# Altium PCB SCCM-2019-3-9.PcbDoc
Units mm, origin at the board's own origin, x right, y up, seen from the top; angles counter-clockwise.
Board outline 78.2 x 81 mm, 2 copper layers (Top Layer, Bottom Layer), stack 1.671 mm thick; 165 components, 89 nets, 507 pads, 12 vias.
Unrouted connection lines stored in the file: 245.
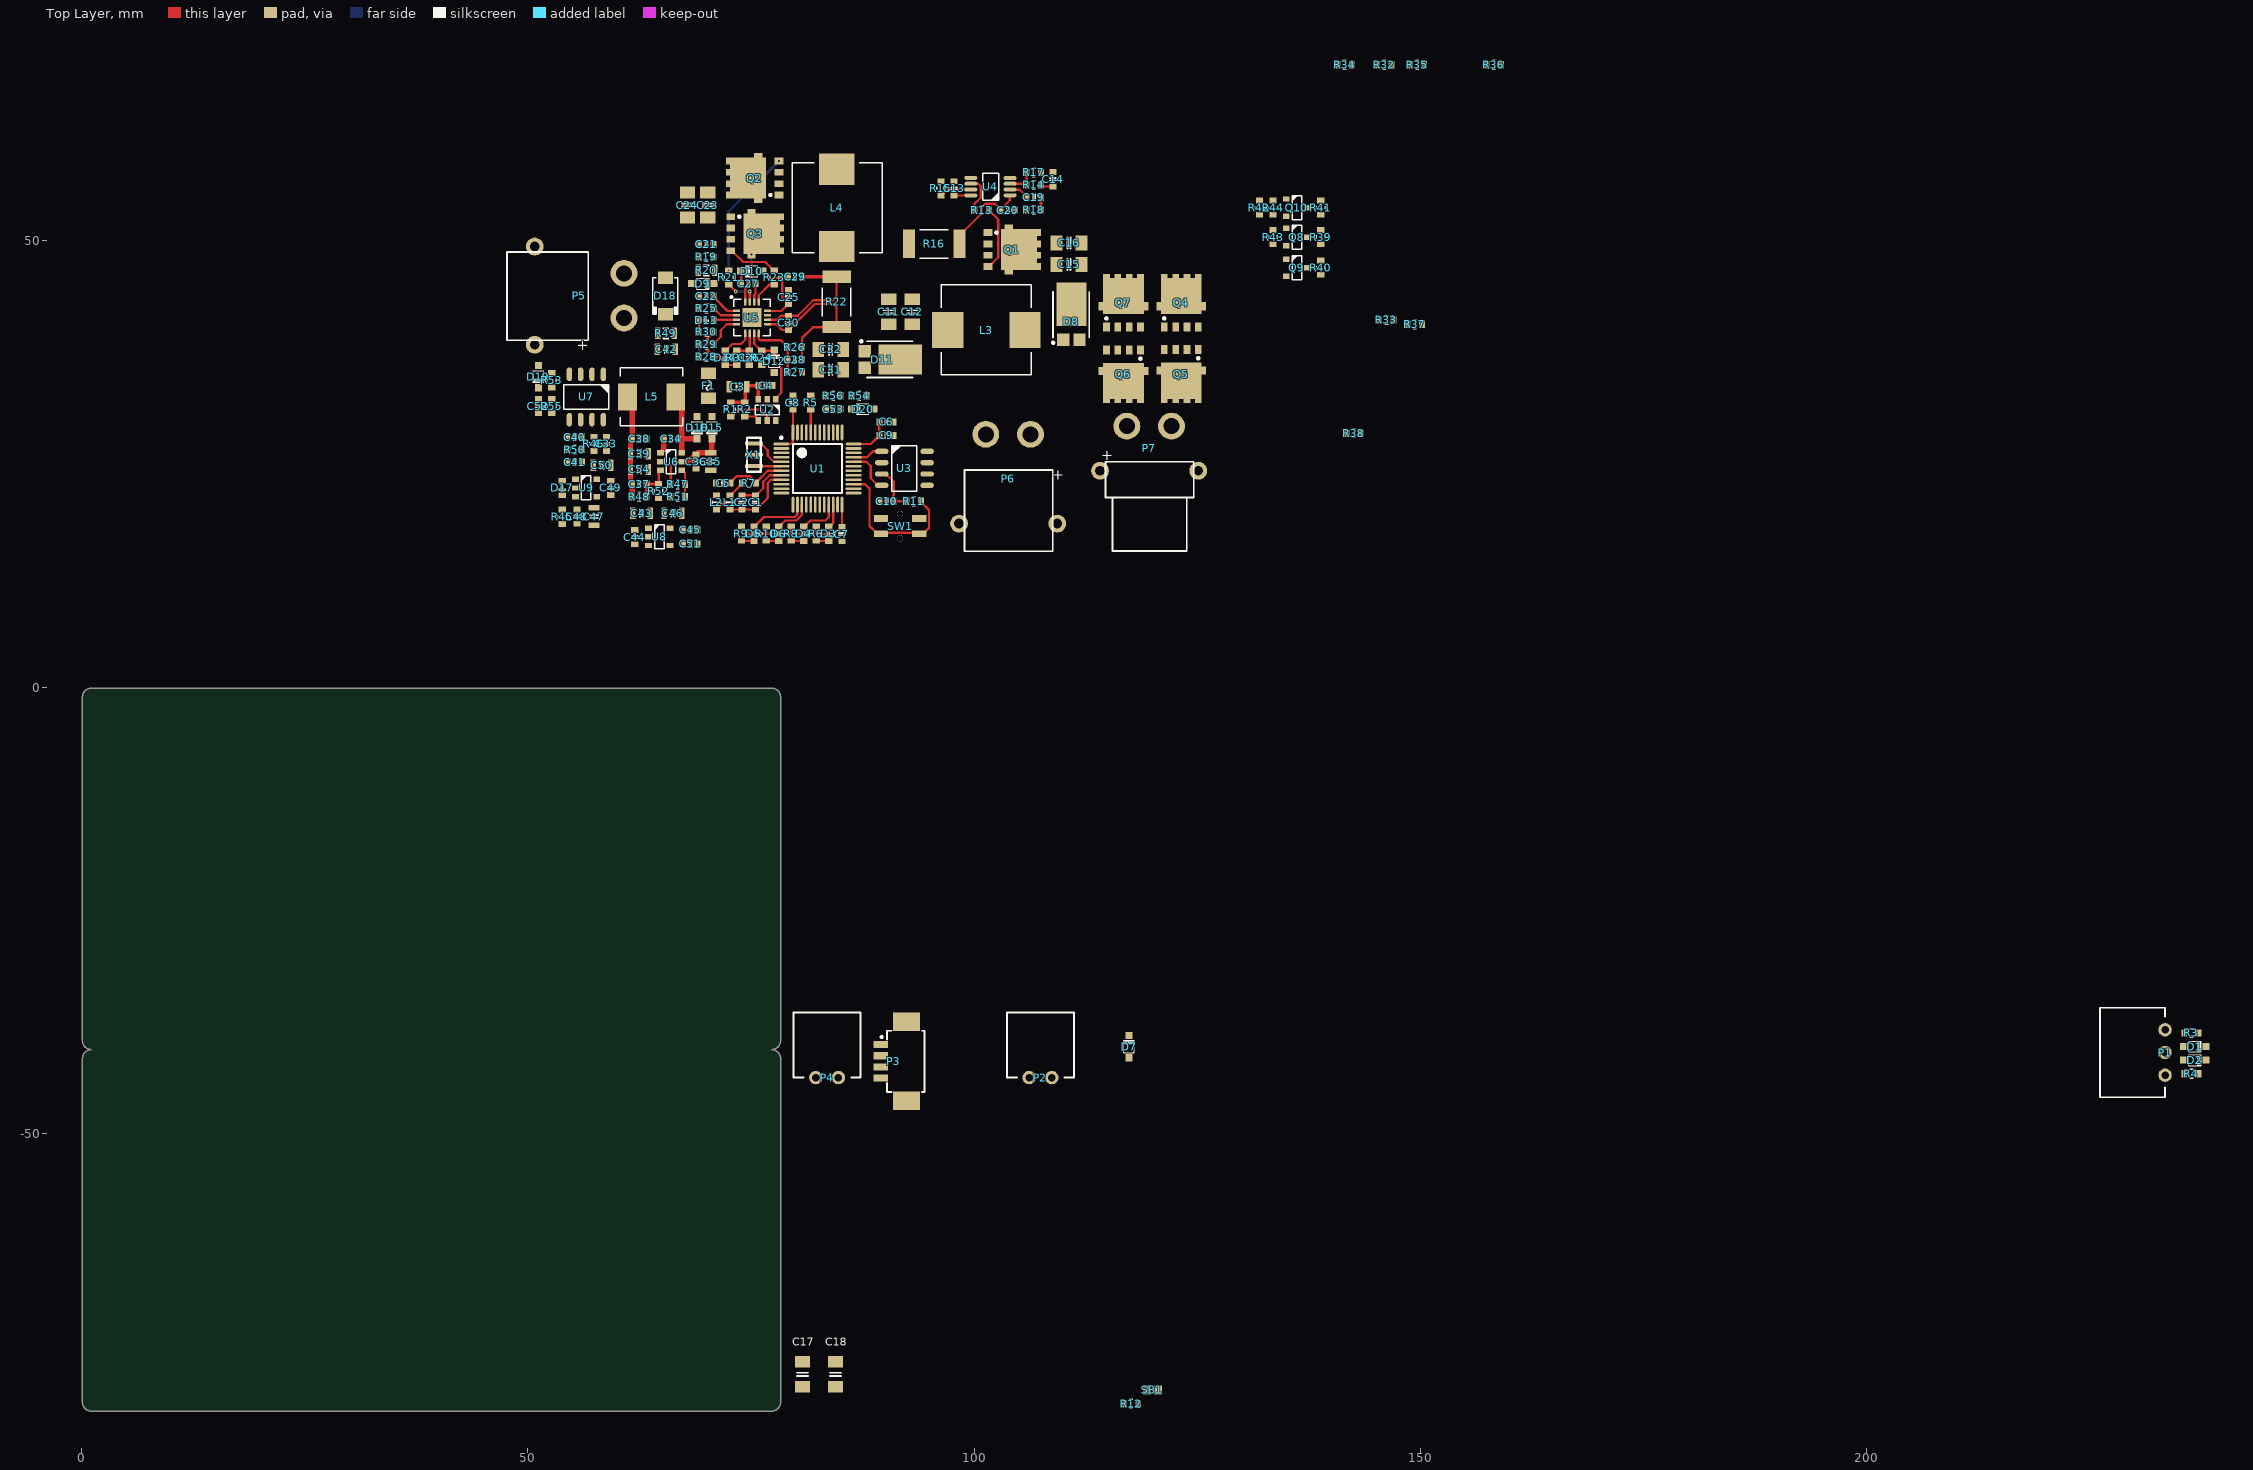
[diagram p0: Top Layer view]
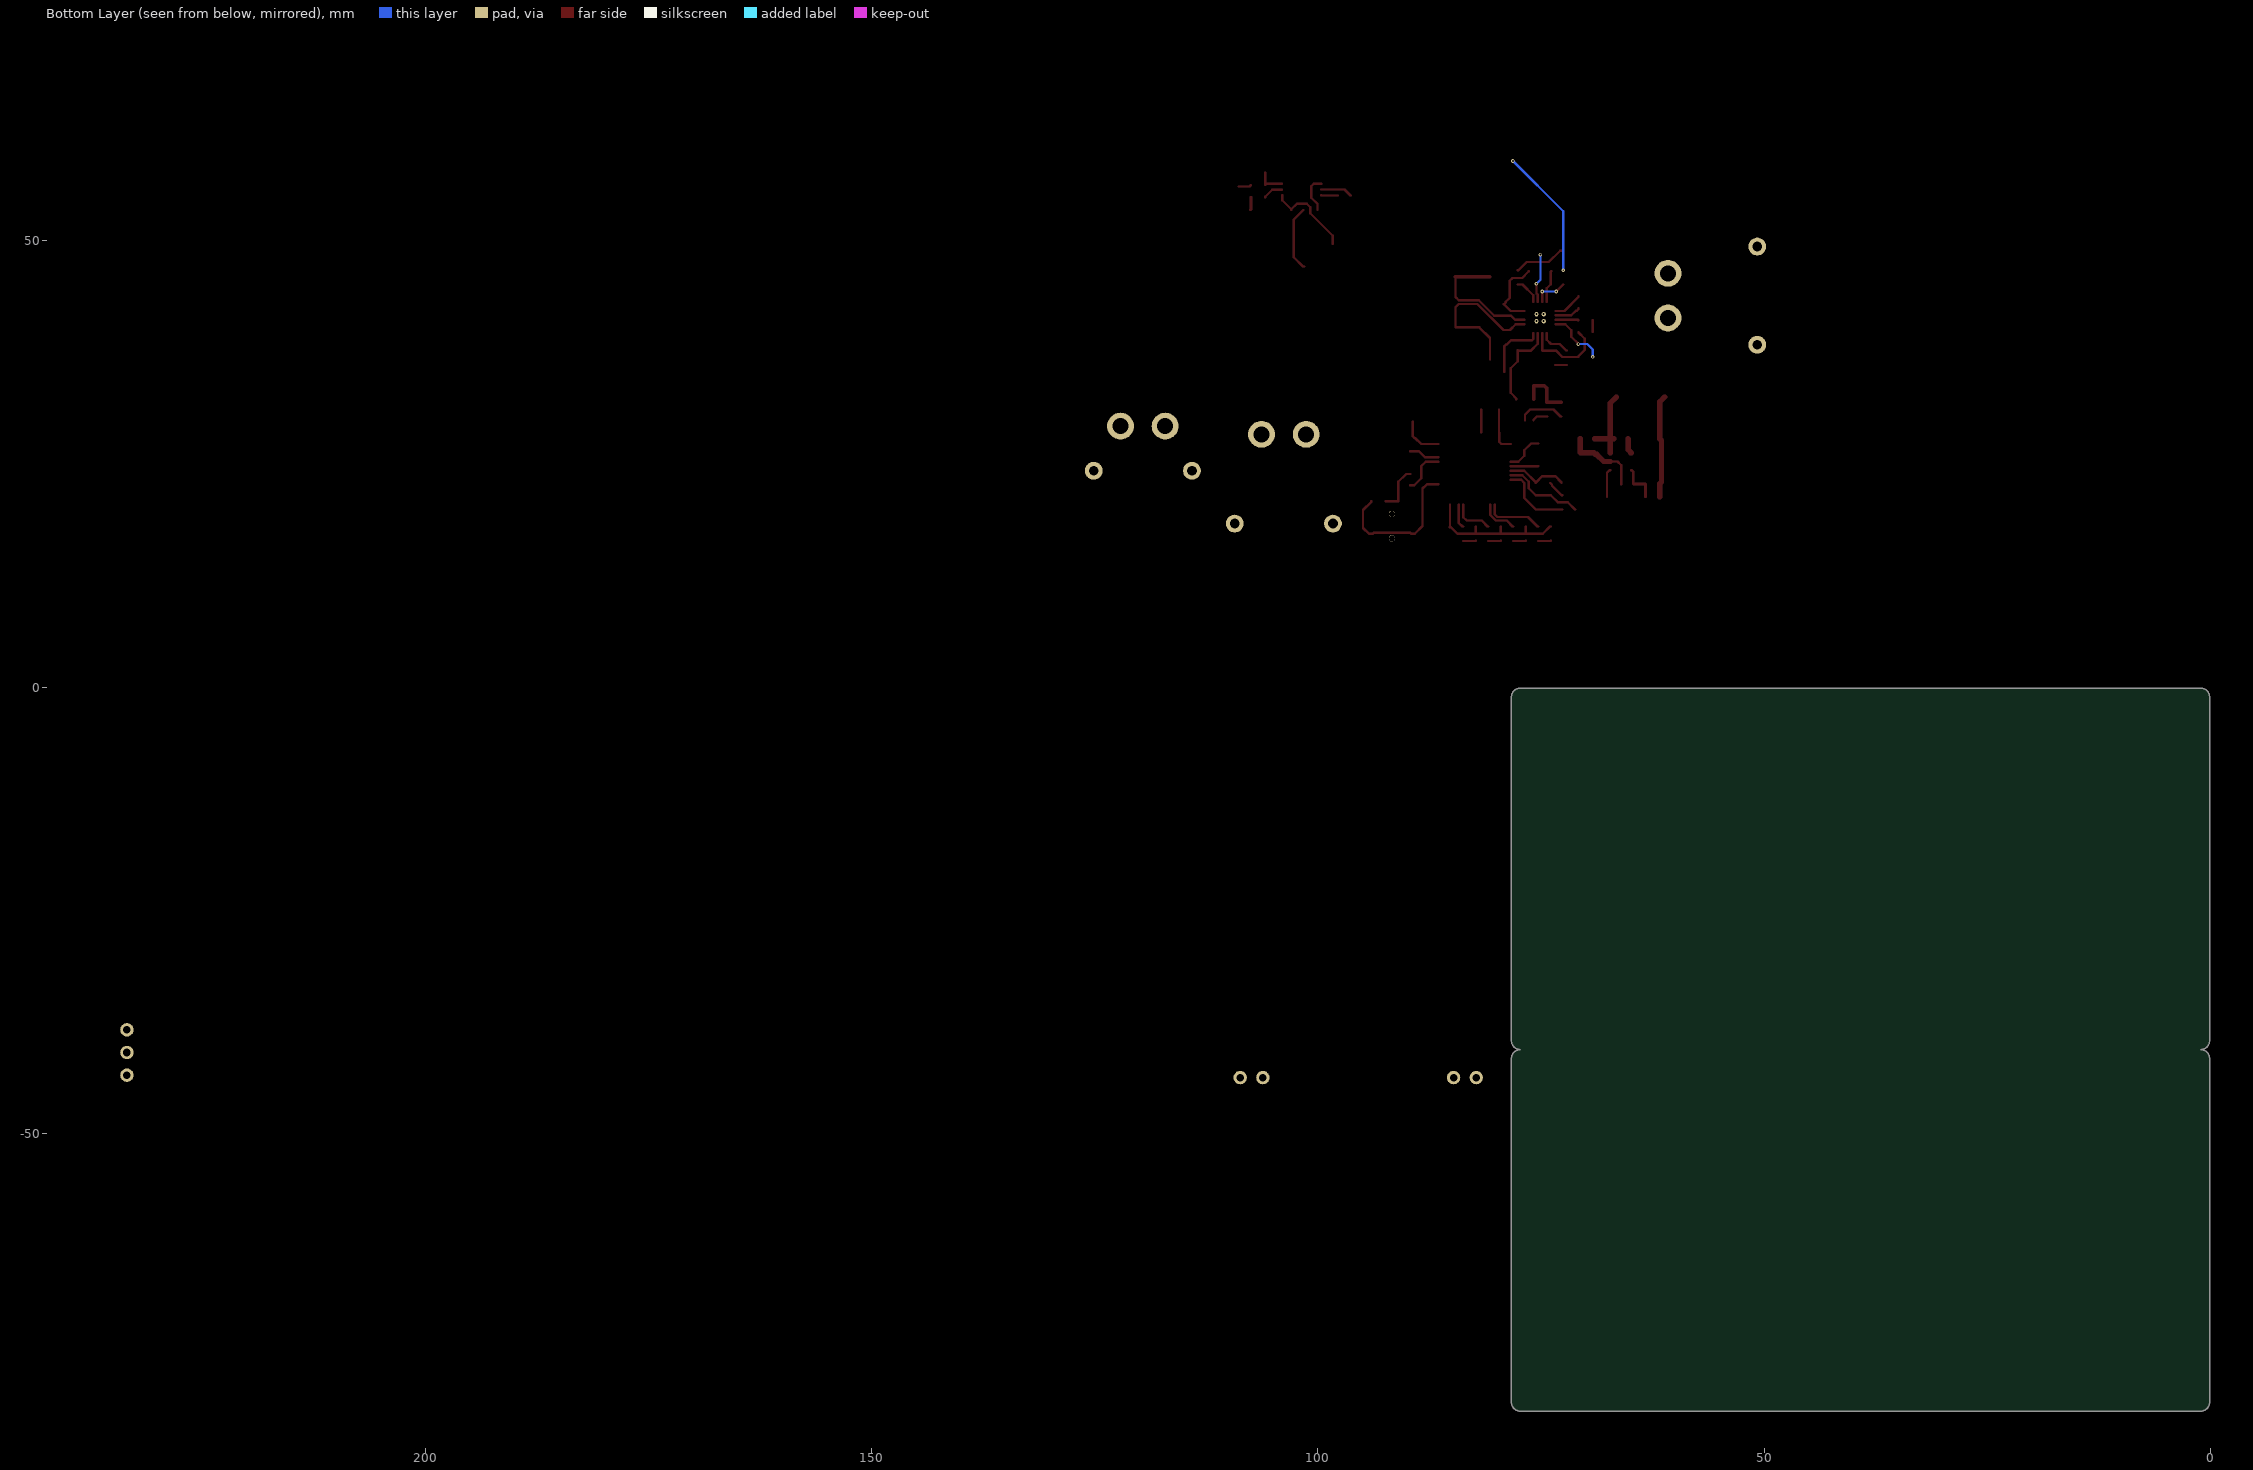
[diagram p1: Bottom Layer view, seen from below]

## Layer stack, top to bottom
Top Solder: solder mask 0.0102, Solder Resist, Dk 3.5
Top Layer: signal copper 0.0356
Dielectric 1: dielectric 1.6, FR-4, Dk 4.8
Bottom Layer: signal copper 0.0356
Bottom Solder: solder mask 0.0102, Solder Resist, Dk 3.5

## Board outline
0.1,-80.1 0.1,-41.6 cw(c1.1,-41.6) 1.1,-40.6 cw(c1.1,-39.6) 0.1,-39.6 0.1,-1.1 cw(c1.1,-1.1) 1.1,-0.1 77.3,-0.1 cw(c77.3,-1.1) 78.3,-1.1 78.3,-39.6 cw(c77.3,-39.6) 77.3,-40.6 cw(c77.3,-41.6) 78.3,-41.6 78.3,-80.1 cw(c77.3,-80.1) 77.3,-81.1 1.1,-81.1 cw(c1.1,-80.1)

## Design rules (kind name [scope] priority, off if disabled: settings)
Clearance Clearance_Polyon [InPolygon] p1: gap=0.254 ignorepadtopadclearanceinfootprint=FALSE except(0: Arc-Hole Track-Hole SMDPad-Hole THPad-Hole Via-Hole Fill-Hole Poly-Hole Region-Hole Text-Hole)
Clearance [All] p2: gap=0.15 ignorepadtopadclearanceinfootprint=FALSE except(0: Arc-Hole Track-Hole SMDPad-Hole THPad-Hole Via-Hole Fill-Hole Poly-Hole Region-Hole Text-Hole)
ComponentClearance [All] p1 off: gap=0.254 collisioncheckmode=3 verticalgap=2540 showdistances=FALSE
HoleToHoleClearance [All] p1: gap=0.1 allowstackedmicrovias=TRUE
PlaneClearance [All] p1: clearance=0.254
PlaneConnect [All] p1: planeconnectstyle=Direct reliefexpansion=0.508 reliefentries=4 reliefconductorwidth=0.254 reliefairgap=0.254
PolygonConnect PolygonConnect_PORT [HasFootprint('Molex-53261-0471')] p1: connectstyle=Relief reliefconductorwidth=0.254 reliefentries=4 polygonreliefangle="90 Angle" airgapwidth=0.254
PolygonConnect PolygonConnect_BTN [HasFootprint('KEY-YD-3414')] p2: connectstyle=Relief reliefconductorwidth=0.254 reliefentries=4 polygonreliefangle="90 Angle" airgapwidth=0.254
PolygonConnect PolygonConnect_CAP [HasFootprint('CAP-0603-L')] p3: connectstyle=Relief reliefconductorwidth=0.254 reliefentries=4 polygonreliefangle="90 Angle" airgapwidth=0.254
PolygonConnect PolygonConnect_Res [HasFootprint('R-0603-L')] p4: connectstyle=Relief reliefconductorwidth=0.4 reliefentries=4 polygonreliefangle="90 Angle" airgapwidth=0.254
PolygonConnect [All] p5: connectstyle=Direct reliefconductorwidth=10 reliefentries=4 polygonreliefangle="45 Angle" airgapwidth=0
RoutingPriority RoutingPriority_GND [InNet('GND')] p1: routingpriority=0
RoutingPriority [All] p2: routingpriority=1
RoutingVias [All] p1: holewidth=0.3 width=0.6 viastyle="Through Hole" minholewidth=0.2 minwidth=0.4 maxholewidth=0.711 maxwidth=1.27
SilkToSilkClearance [All] p1: silktosilkclearance=0
SilkToSolderMaskClearance [IsPad] p1: minsilkscreentomaskgap=0.1 clearancetoexposedcopper=TRUE
SolderMaskExpansion [All] p1: expansion=0.102
Width [All] p1: maxlimit=3.81 minlimit=0.1 preferedwidth=0.3
23 further rules are at their usual default settings.

## Classes and differential pairs
component class PowerPath: Q4 Q5 Q6 Q7 Q8 Q9 Q10 R32 R33 R34 R35 R36 R37 R38 R39 R40 R41 R42 R43 R44
component class Buck: C21 C22 C23 C24 C25 C26 C27 C28 C29 C30 C31 C32 D9 D10 D11 D12 D13 D14 L4 Q2 Q3 R19 R20 R21 R22 R23 R24 R25 R26 R27 R28 R29 R30 R31 U5
component class Boost: C11 C12 C13 C14 C15 C16 C17 C18 C19 C20 D8 L3 Q1 R13 R14 R15 R16 R17 R18 U4
component class MCU: C1 C2 C3 C4 C5 C6 C7 C8 C9 C10 D1 D2 D3 D4 D5 D6 D7 L1 L2 P1 P2 P3 P4 R1 R2 R3 R4 R5 R6 R7 R8 R9 R10 R11 R12 SB1 SW1 U1 U2 U3 X1
component class Power: C33 C34 C35 C36 C37 C38 C39 C40 C41 C42 C43 C44 C45 C46 C47 C48 C49 C50 C51 C52 C53 C54 D15 D16 D17 D18 D19 D20 F1 L5 P5 P6 P7 R45 R46 R47 R48 R49 R50 R51 R52 R53 R54 R55 R56 U6 U7 U8 U9

## Components (designator, comment, footprint, x,y, rotation, side; value= is the part's Value field where it differs from the comment)
C1 "1uF" CAP-0603-L 75.5,20.701 r270 top
C2 "0.1uF" CAP-0603-L 73.976,20.701 r270 top
C3 "10uF" CAP-0805-L 73.533,33.655 r0 top
C4 "0.1uF" CAP-0603-L 76.623,33.782 r180 top
C5 "0.1uF" CAP-0603-L 71.882,22.86 r0 top
C6 "1uF" CAP-0603-L 90.17,29.718 r180 top
C7 "0.1uF" CAP-0603-L 85.182,17.145 r90 top
C8 "0.1uF" CAP-0603-L 79.691,31.877 r270 top
C9 "0.1uF" CAP-0603-L 90.17,28.194 r180 top
C10 "0.1uF" CAP-0603-L 90.17,20.828 r0 top
C11 "100uF" CAP-1206-L 90.424,42.039 r270 top
C12 "100uF" CAP-1206-L 93.06,42.039 r270 top
C13 "0.1uF" CAP-0603-L 97.749,55.88 r270 top
C14 "0.1uF" CAP-0603-L 108.839,56.896 r270 top
C15 "100uF" CAP-1206-L 110.617,47.35 r0 top
C16 "100uF" CAP-1206-L 110.617,49.763 r0 top
C17 "100uF" CAP-1206-L 80.766,-76.984 r90 top
C18 "100uF" CAP-1206-L 84.449,-76.984 r90 top
C19 "0.1uF" CAP-0603-L 106.68,54.864 r180 top
C20 "10nF" CAP-0603-L 103.759,53.448 r180 top
C21 "2.2uF" CAP-0603-L 70,49.6 r180 top
C22 "0.1uF" CAP-0603-L 70,43.796 r180 top
C23 "100uF" CAP-1206-L 70.156,54.009 r90 top
C24 "100uF" CAP-1206-L 67.87,54.009 r90 top
C25 "0.1uF" CAP-0603-L 79.2,43.7 r90 top
C26 "0.1uF" CAP-0603-L 74.8,36.9 r270 top
C27 "0.1uF" CAP-0603-L 74.7,45.2 r180 top
C28 "22pF" CAP-0603-L 79.9,36.7 r0 top
C29 "0.1uF" CAP-0603-L 79.925,45.975 r0 top
C30 "0.1uF" CAP-0603-L 79.2,40.8 r90 top
C31 "100uF" CAP-1206-L 83.908,35.556 r0 top
C32 "100uF" CAP-1206-L 83.908,37.842 r0 top
C33 "0.1uF" CAP-0603-L 58.801,27.252 r270 top
C34 "0.1uF" CAP-0603-L 66.04,27.813 r0 top
C35 "10uF" CAP-0805-L 70.485,25.273 r90 top
C36 "0.1uF" CAP-0603-L 68.834,25.273 r90 top
C37 "47pF" CAP-0603-L 62.484,22.733 r180 top
C38 "0.1uF" CAP-0603-L 62.484,27.813 r180 top
C39 "10uF" CAP-0805-L 62.484,26.162 r180 top
C40 "0.1uF" CAP-0603-L 55.245,28.014 r0 top
C41 "150pF" CAP-0603-L 55.245,25.22 r0 top
C42 "10nF" CAP-0805-L 65.494,37.846 r0 top
C43 "10uF" CAP-0805-L 62.738,19.478 r180 top
C44 "0.1uF" CAP-0603-L 61.976,16.807 r90 top
C45 "0.1uF" CAP-0603-L 68.199,17.607 r180 top
C46 "10uF" CAP-0805-L 66.234,19.478 r0 top
C47 "10uF" CAP-0805-L 57.404,19.114 r90 top
C48 "0.1uF" CAP-0603-L 55.499,19.101 r90 top
C49 "0.1uF" CAP-0603-L 59.284,22.314 r90 top
C50 "10uF" CAP-0805-L 58.293,24.854 r0 top
C51 "22nF" CAP-0603-L 68.199,16.049 r180 top
C52 "150pF" CAP-0603-L 51.181,31.496 r90 top
C53 "150pF" CAP-0603-L 84.201,31.153 r0 top
C54 "10uF" CAP-0805-L 62.484,24.384 r180 top
D1 "D3.9" SOD_323 236.728,-40.259 r0 top
D2 "D3.9" SOD_323 236.728,-41.783 r0 top
D3 "LED_B" LED_0603-L 83.708,17.178 r90 top
D4 "LED_W" LED_0603-L 80.897,17.192 r90 top
D5 "LED_G" LED_0603-L 75.309,17.192 r90 top
D6 "LED_R" LED_0603-L 78.103,17.192 r90 top
D7 "B5819WS" SOD_323 117.348,-40.259 r90 top
D8 "SR1045L" POWERDI-5 109.951,38.923 r90 top
D9 "BZT52C27S WP" SOD_323 69.6,45.2 r0 top
D10 "B5819WS" SOD_323 75.1,46.6 r180 top
D11 "SR1045L" POWERDI-5 87.712,37.623 r0 top
D12 "Z2.1" SOD_323 77.6,36.5 r90 top
D13 "BQ_STAT" LED_0603-L 70,41.096 r0 top
D14 "BQ_PG" LED_0603-L 72.1,36.9 r90 top
D15 "B5819WS" SOD_323 70.612,29.083 r270 top
D16 "B5819WS" SOD_323 68.961,29.083 r270 top
D17 "LED_Power" LED_0603-L 53.848,22.314 r90 top
D18 "SMBJ28CA" DIODE_SMA 65.405,43.826 r270 top
D19 "Z3.9" SOD_323 51.181,34.798 r270 top
D20 "Z3.9" SOD_323 87.503,31.153 r180 top
F1 "MF-NSMF012-2" FUSE_1206 70.231,33.782 r270 top
L1 "10uH" L-0603-L 72.621,20.701 r270 top
L2 "10uH" L-0603-L 71.12,20.701 r270 top
L3 "MHCC10040-6R8M" L-10040 101.346,40.005 r0 top
L4 "MHCC10040-6R8M" L-10040 84.6,53.7 r270 top
L5 "MHCI04020-100M-R8" L-0630 66.548,32.512 r180 top
P1 "XH_3" XH_3-SLEEP 233.393,-40.925 r90 top
P2 "XH_2" XH_2-SLEEP 107.415,-43.733 r0 top
P3 "Molex-53261-0471" MOLEX-53261-0471 89.515,-40.033 r90 top
P4 "XH_2" XH_2-SLEEP 83.515,-43.733 r0 top
P5 "XT30PW_M" XT30PW-M 60.767,41.355 r90 top
P6 "XT30PW_M" XT30PW-M 106.299,28.321 r180 top
P7 "XT30PW_F" XT30PW-F 122.095,29.243 r180 top
Q1 "AON6508" DFN5x6 101.522,47.114 r0 top
Q2 "AON6508" DFN5X6 78.137,58.942 r180 top
Q3 "AON6508" DFN5X6 72.72,48.895 r0 top
Q4 "AON6407" DFN5x6 125.095,40.335 r90 top
Q5 "AON6407" DFN5x6 121.285,37.803 r270 top
Q6 "AON6407" DFN5x6 114.808,37.77 r270 top
Q7 "AON6407" DFN5x6 118.618,40.335 r90 top
Q8 "PMBT3904,215" SOT-23-3 136.144,50.419 r0 top
Q9 "PMBT3904,215" SOT-23-3 136.144,46.99 r0 top
Q10 "PMBT3904,215" SOT-23-3 136.144,53.721 r0 top
R1 "10K" R-0603-L 72.72,31.115 r90 top
R2 "10K" R-0603-L 74.295,31.115 r90 top
R3 "100R" R-0603-L 236.347,-38.735 r0 top
R4 "100R" R-0603-L 236.347,-43.307 r0 top
R5 "10K" R-0603-L 81.691,31.877 r90 top
R6 "4.7K" R-0603-L 82.294,17.192 r270 top
R7 "10K" R-0603-L 74.765,22.86 r180 top
R8 "4.7K" R-0603-L 79.5,17.192 r270 top
R9 "4.7K" R-0603-L 73.912,17.192 r270 top
R10 "4.7K" R-0603-L 76.706,17.192 r270 top
R11 "10K" R-0603-L 93.218,20.828 r0 top
R12 "120R" R-0603-L 117.564,-80.264 r0 top
R13 "10R" R-0603-L 100.838,53.448 r180 top
R14 "18.2K" R-0603-L 106.68,56.261 r0 top
R15 "44.2K" R-0603-L 96.266,55.88 r270 top
R16 "4mR" R-2512-SMALL 95.504,49.654 r0 top
R17 "1K" R-0603-L 106.68,57.658 r180 top
R18 "1.4K" R-0603-L 106.68,53.467 r0 top
R19 "2R" R-0603-L 70,48.2 r0 top
R20 "20R" R-0805-L 70,46.7 r0 top
R21 "10R" R-0603-L 72.5,45.9 r90 top
R22 "10mR" R-2512-SMALL 84.582,43.15 r270 top
R23 "10R" R-0603-L 77.6,45.9 r90 top
R24 "10K" R-0603-L 76.2,36.9 r90 top
R25 "10K" R-0603-L 70,42.446 r0 top
R26 "300K" R-0603-L 79.9,38.1 r0 top
R27 "33K" R-0603-L 79.9,35.3 r180 top
R28 "20K" R-0603-L 70,36.996 r0 top
R29 "20K" R-0603-L 70,38.396 r0 top
R30 "4.7K" R-0603-L 70,39.796 r180 top
R31 "4.7K" R-0603-L 73.4,36.9 r270 top
R32 "100K" R-0603-L 145.923,69.723 r180 top
R33 "100K" R-0603-L 146.177,41.15 r0 top
R34 "100K" R-0603-L 141.478,69.723 r180 top
R35 "10K" R-0603-L 149.606,69.723 r180 top
R36 "100K" R-0603-L 158.204,69.723 r0 top
R37 "10K" R-0603-L 149.352,40.65 r180 top
R38 "100K" R-0603-L 142.494,28.451 r180 top
R39 "10K" R-0603-L 138.811,50.419 r90 top
R40 "10K" R-0603-L 138.811,46.99 r270 top
R41 "4.7K" R-0603-L 138.811,53.721 r270 top
R42 "1K" R-0603-L 131.953,53.721 r90 top
R43 "10K" R-0603-L 133.477,50.419 r270 top
R44 "10K" R-0603-L 133.477,53.721 r270 top
R45 "4.7K" R-0603-L 53.848,19.093 r270 top
R46 "2K" R-0603-L 57.404,27.252 r90 top
R47 "100K" R-0603-L 66.802,22.733 r180 top
R48 "124K" R-0603-L 62.484,21.336 r180 top
R49 "33R" R-0805-L 65.469,39.65 r180 top
R50 "3K" R-0603-L 55.245,26.617 r0 top
R51 "30K" R-0603-L 66.802,21.336 r0 top
R52 "22K" R-0603-L 64.643,21.971 r90 top
R53 "20K" R-0603-L 52.667,34.379 r90 top
R54 "20K" R-0603-L 87.122,32.639 r0 top
R55 "2K" R-0603-L 52.667,31.496 r90 top
R56 "2K" R-0603-L 84.201,32.639 r0 top
SB1 "Solderbridge" SOLDERBRIDGE-0603 119.951,-78.715 r0 top
SW1 "SW_USER" KEY-YD-3414 91.694,18.034 r180 top
U1 "STM32F103C8T6" STM-LQFP48_N 82.441,24.493 r0 top
U2 "MCP4725" SOT-23-6 76.788,31.064 r270 top
U3 "SN65HVD230DR" SOIC_8 92.177,24.512 r0 top
U4 "LM3488" MSOP_E120_P0.5_10 101.854,56.098 r180 top
U5 "BQ24640" VQFN16N 75.1,41.4 r0 top
U6 "MP2456" SOT-23-6 66.04,25.273 r0 top
U7 "ACS712ELCTR-20A" SOIC_8 56.54,32.507 r270 top
U8 "RT9193-33GB" SOT-23-5 64.719,16.837 r0 top
U9 "TPS70950DBVR" SOT-23-5 56.515,22.314 r0 top
X1 "8MHz" CSTCE_G(A)村田晶振 75.311,26.035 r90 top

## Footprints (in the part's own frame and the unit in brackets; to place one, negate y for a bottom-side part, rotate by r counter-clockwise, add the part's x,y. Pads: shape width x height; smd on the part's side, far side on the other; paste and mask are expansions set on the pad)
CAP-0603-L [mm]
  rect 0.65x0.8 smd: 1(-0.8,0) 2(0.8,0)
  silkscreen extent -0.13,-0.35 0.13,0.35, body extent -0.8,-0.4 0.8,0.4, height 0.8
CAP-0805-L [mil]
  rect 24x50 smd: 1(-39,0) 2(39,0)
  silkscreen extent -7,-18 7,18, body extent -39,-25 39,25, height 39
CAP-1206-L [mm] "Chip Capacitor, 2-Leads, Body 3.20x1.60mm, IPC Medium Density"
  rect 1.3x1.7 smd: 1(-1.4,0) 2(1.4,0)
  silkscreen extent -0.18,-0.63 0.18,0.63, body extent -1.7,-0.9 1.7,0.9, height 0.5
CSTCE_G(A)村田晶振 [mm]
  rrect50% 0.45x2 smd: 1(1.27,0) 2(0,0) 3(-1.27,0)
  silkscreen extent -1.91,-0.76 1.91,0.76, body extent -1.9,-0.8 1.9,0.8, height 1
DFN5x6 [mm]
  rect 1x0.75 smd: 1(0,3.81) 2(0,2.54) 3(0,1.27) 4(0,0) 5(5.461,0) 5(5.461,1.27) 5(5.461,2.54) 5(5.461,3.81)
  rect 0.92x0.905 smd: 5(2.337,-0.432) 5(2.337,4.242)
  rect 4.055x4.56 smd: 5(3.48,1.905)
  silkscreen extent 0.84,3.69 1.09,3.93, body extent -0.35,-0.66 5.8,4.48, height 1.12
DFN5X6 [mm]
  rect 1x0.75 smd: 1(0,3.81) 2(0,2.54) 3(0,1.27) 4(0,0) 5(5.461,3.81) 5(5.461,0) 5(5.461,1.27) 5(5.461,2.54)
  rect 0.92x0.905 smd: 5(2.337,4.242) 5(2.337,-0.432)
  rect 4.055x4.56 smd: 5(3.48,1.905)
  silkscreen extent 0.84,3.69 1.09,3.93, body extent -0.35,-0.66 5.8,4.48, height 1.12
DIODE_SMA [mil]
  rect 55x65 smd: 1(-80,0) 2(80,0)
  silkscreen extent -80,-55 80,55, body extent -98,-53 98,53, height 85
FUSE_1206 [mm]
  rect 1.3x1.7 smd: 1(-1.4,0) 2(1.4,0)
  silkscreen extent -0.53,-0.23 0.51,0.23, body extent -1.6,-0.8 1.6,0.8, height 1.01
KEY-YD-3414 [mm]
  round 0.7 hole 0.7 mask+0: 0(0,1.375) 0(0,-1.375)
  rect 1.6x0.762 smd: 1(-2.15,0.85) 1(2.15,0.85) 2(-2.15,-0.85) 2(2.15,-0.85)
  body extent -2.34,-1.77 2.26,1.77, height 1.42
L-0603-L [mm]
  rect 0.65x0.8 smd: 1(-0.8,0) 2(0.8,0)
  silkscreen extent -0.18,-0.48 0.18,0.48, body extent -0.8,-0.4 0.8,0.4, height 0.45
L-0630 [mm] "7*6.6*2.8MM(长*宽*高)"
  rect 2.1x3 smd: 1(0,0) 2(5.4,0)
  silkscreen extent -0.8,-3.27 6.22,3.25, body extent -0.8,-3.25 6.22,3.25, height 2.8
L-10040 [mm] "10.1*11.6*4.0MM(长*宽*高)"
  rect 3.5x4 smd: 1(-4.326,0) 2(4.326,0)
  silkscreen extent -5.05,-5 5.05,5.1, body extent -5.81,-5.02 5.79,5.08, height 4
LED_0603-L [mm]
  rect 0.65x0.8 smd: 1(-0.813,0) 2(0.813,0)
  silkscreen extent -0.25,-0.39 0.25,0.39, body extent -0.81,-0.4 0.81,0.4, height 0.6
MOLEX-53261-0471 [mm] "卧式1.25mm Pitch PicoBlade Header"
  rect 0.8x1.6 smd: 1(0,0) 2(-1.25,0) 3(-2.5,0) 4(-3.75,0)
  rect 2.1x3 smd: 5(-6.3,-2.9) 6(2.55,-2.9)
  silkscreen extent -5.3,-4.9 1.55,0, body extent -6.98,-4.97 3.17,0.23, height 3.4
MSOP_E120_P0.5_10 [mm]
  oval 1.45x0.45 smd: 1(-2.159,1) 2(-2.159,0.35) 3(-2.159,-0.3) 4(-2.159,-0.95) 5(2.241,-0.95) 6(2.241,-0.3) 7(2.241,0.35) 8(2.241,1)
  silkscreen extent -0.89,-1.5 0.89,1.55, body extent -2.45,-1.47 2.45,1.52, height 0.97
POWERDI-5 [mm]
  rect 1.4x1.39 smd: 1(0,0) 2(0,-1.84)
  rect 4.86x3.36 smd: 3(3.982,-0.92)
  silkscreen extent -0.47,-2.93 5.38,1.25, body extent -0.48,-2.93 6.12,1.13, height 1.17
R-0603-L [mm]
  rect 0.65x0.8 smd: 1(-0.8,0) 2(0.8,0)
  silkscreen extent -0.18,-0.48 0.18,0.48, body extent -0.8,-0.4 0.8,0.4, height 0.45
R-0805-L [mil]
  rect 24x50 smd: 1(-36,0) 2(36,0)
  silkscreen extent -12,-24 12,24, body extent -39,-25 39,25, height 24
R-2512-SMALL [mm]
  rect 1.35x3.2 smd: 1(-2.825,0) 2(2.825,0)
  silkscreen extent -1.6,-1.6 1.6,1.6, body extent -3.17,-1.6 3.17,1.6, height 0.66
SOD_323 [mm]
  rect 0.8x0.8 smd: 1(-1.25,0) 2(1.25,0)
  silkscreen extent -0.67,-0.6 0.72,0.6, body extent -1.3,-0.68 1.3,0.68, height 1.1
SOIC_8 [mil]
  oval 60x24 smd: 1(-100,75) 2(-100,25) 3(-100,-25) 4(-100,-75) 5(100,-75) 6(100,-25) 7(100,25) 8(100,75)
  silkscreen extent -55,-100 55,100, body extent -118,-96 118,96, height 69
SOLDERBRIDGE-0603 [mil]
  rect 35x40 smd: 1(-24.5,0) 2(24.5,0)
SOT-23-3 [mil]
  rect 30x24 smd: 1(-47,38) 2(-47,-38) 3(47,0)
  silkscreen extent -21,-53 21,53, body extent -55,-57 55,57, height 51
SOT-23-5 [mil]
  rect 30x24 smd: 1(-47,38) 2(-47,0) 3(-47,-38) 4(47,-38) 5(47,38)
  silkscreen extent -21,-53 21,53, body extent -55,-57 55,57, height 57
SOT-23-6 [mil]
  rect 30x24 smd: 1(-47,38) 2(-47,0) 3(-47,-38) 4(47,-38) 5(47,0) 6(47,38)
  silkscreen extent -21,-53 21,53, body extent -55,-57 55,57, height 57
STM-LQFP48_N [mm] "QFP, 48-Leads, Body 7x7mm, Pitch 0.5mm, IPC Medium Density"
  oval 1.8x0.3 smd: 1(-4.05,2.75) 2(-4.05,2.25) 3(-4.05,1.75) 4(-4.05,1.25) 5(-4.05,0.75) 6(-4.05,0.25) 7(-4.05,-0.25) 8(-4.05,-0.75) 9(-4.05,-1.25) 10(-4.05,-1.75) 11(-4.05,-2.25) 12(-4.05,-2.75) 25(4.05,-2.75) 26(4.05,-2.25) 27(4.05,-1.75) 28(4.05,-1.25) 29(4.05,-0.75) 30(4.05,-0.25) 31(4.05,0.25) 32(4.05,0.75) 33(4.05,1.25) 34(4.05,1.75) 35(4.05,2.25) 36(4.05,2.75)
  oval 0.3x1.8 smd: 13(-2.75,-4.05) 14(-2.25,-4.05) 15(-1.75,-4.05) 16(-1.25,-4.05) 17(-0.75,-4.05) 18(-0.25,-4.05) 19(0.25,-4.05) 20(0.75,-4.05) 21(1.25,-4.05) 22(1.75,-4.05) 23(2.25,-4.05) 24(2.75,-4.05) 37(2.75,4.05) 38(2.25,4.05) 39(1.75,4.05) 40(1.25,4.05) 41(0.75,4.05) 42(0.25,4.05) 43(-0.25,4.05) 44(-0.75,4.05) 45(-1.25,4.05) 46(-1.75,4.05) 47(-2.25,4.05) 48(-2.75,4.05)
  silkscreen extent -4.17,-2.75 2.75,3.57, body extent -3.5,-3.5 3.5,3.5, height 1.6
VQFN16N [mm]
  rect 0.8x0.28 smd: 1(-1.75,0.75) 2(-1.75,0.25) 3(-1.75,-0.25) 4(-1.75,-0.75) 9(1.75,-0.75) 10(1.75,-0.25) 11(1.75,0.25) 12(1.75,0.75)
  rect 0.28x0.8 smd: 5(-0.75,-1.75) 6(-0.25,-1.75) 7(0.25,-1.75) 8(0.75,-1.75) 13(0.75,1.75) 14(0.25,1.75) 15(-0.25,1.75) 16(-0.75,1.75)
  rect 2.14x2.14 smd: 17(0,0)
  silkscreen extent -2.4,-2.06 2.06,2.4, body extent -1.75,-1.75 1.75,1.75, height 1
XH_2-SLEEP [mm]
  round 1.5 hole 0.85: 1(-1.27,0) 2(1.27,0)
  silkscreen extent -3.75,0 3.75,7.3, body extent -3.75,-0.34 3.75,7.3, height 5.95
XH_3-SLEEP [mm]
  round 1.5 hole 0.85: 1(-2.54,0) 2(0,0) 3(2.54,0)
  silkscreen extent -5.02,0 5.02,7.3, body extent -5,-0.34 5,7.3, height 5.95
XT30PW-F [mm]
  round 2 hole 1.1: 0(-3,5) 0(8,5)
  round 3 hole 1.8: 1(5,0) 2(0,0)
  silkscreen extent -2.5,4 7.4,14, body extent -4.15,-0.9 9.15,14, height 5.1
XT30PW-M [mm]
  round 2 hole 1.1: 0(-3,10) 0(8,10)
  round 3 hole 1.8: 1(0,0) 2(5,0)
  silkscreen extent -2.5,4 7.4,13.1, body extent -4.2,-0.88 9.1,13.08, height 5.15

## Part data
C1 C2 C3 C4 C5 C6 C7 C8 C9 C10 C11 C12 C13 C14 C15 C16 C17 C18 C19 C20 C21 C22 C23 C24 C25 C26 C27 C28 C29 C30 C31 C32 C33 C34 C35 C36 C37 C38 C39 C40 C41 C42 C43 C44 C45 C46 C47 C48 C49 C50 C51 C52 C53 C54: library part CAP
D1 D2 D9 D12 D19 D20: library part Diode_ZD
D3 D4 D5 D6 D13 D14 D17: library part LED
D7 D10 D15 D16: library part Diode
D8 D11: library part Diode_1
D18: library part TVS_C
F1: library part Fuse
L1 L2 L3 L4 L5: library part Inductor, "电感"
P3: "1.25mm Pitch PicoBlade Header"
P5 P6 P7: library part XT30, "XT30"
Q1 Q2 Q3: library part MOS-N_1
Q4 Q5 Q6 Q7: library part MOS-P_1
Q8 Q9 Q10: library part BJT_NPN, "Transistor"
R1 R2 R3 R4 R5 R6 R7 R8 R9 R10 R11 R12 R13 R14 R15 R16 R17 R18 R19 R20 R21 R22 R23 R24 R25 R26 R27 R28 R29 R30 R31 R32 R33 R34 R35 R36 R37 R38 R39 R40 R41 R42 R43 R44 R45 R46 R47 R48 R49 R50 R51 R52 R53 R54 R55 R56: library part Res
SW1: library part KEY
U1: "ARM Cortex-M3 32-bit MCU, 64 KB Flash, 20 KB Internal RAM, 37 I/Os, 48-pin LQFP, -40 to 85 degC, Tray", I/Os (High Current)=37, Operating Frequency(F) (Processor speed) (MHz)=72, Supplier Part Number 1=497-6063-ND, Supply Voltage(Vcc) min (V)=2, A/D Converter="2x12-bit (10 Channel)", ComponentLink1Description="Manufacturer URL", ComponentLink1URL=http://www.st.com/web/en/home.html, ComponentLink2Description=Datasheet, ComponentLink2URL=http://www.st.com/st-web-ui/static/active/en/resource/technical/document/datasheet/CD00161566.pdf, ComponentLink3Description="Package Specification", ComponentLink3URL=http://www.st.com/st-web-ui/static/active/en/resource/technical/document/datasheet/DM00058181.pdf, Core="ARM Cortex-M3", DatasheetVersion="Rev. 16", FLASH Size (Prog) (kB)=64, Internal RAM Size (kB)=20, Mounting Technology="Surface Mount", PackageDescription="48-Pin Low Profile Quad Flat Package, 7 x 7 mm Body, 0.5 mm Pitch", PackageReference=LQFP48, PackageVersion="Rev. 6, 06/2013", Packing=Tray, PartNumber=STM32F103C8T6, Supplier 1=Digi-Key, Supplier 2=Farnell, Supplier 3=Newark, Supplier 4=Newark, Supplier 5=Mouser, Supplier Part Number 2=1447637, Supplier Part Number 3=59M2182, Supplier Part Number 4=57P1222, Supplier Part Number 5=511-STM32F103C8T6
U2: "I2C 12bit DAC"
U3: "CANоƬ"
U4: "Automotive High-Efficiency Controller for Boost, SEPIC and Fly-Back DC-DCConverters"
U5: "用于超级电容器的高效同步开关模式电池充电控制器"
U7: library part ACS712ELCTR, "电流测量芯片"
U8: library part RT9193, "LDO"
U9: library part TPS709, "具有使能端的 150-mA 超低 Iq LDO"
X1: library part XTAL-3215

## Via types
v1: diameter 0.4, hole 0.2, Top Layer to Bottom Layer, tented both sides, 8 vias
v2: diameter 0.5, hole 0.2, Top Layer to Bottom Layer, 4 vias

## Nets (pads, with @x,y where several pads share a name; then routed paths per layer and width w, separated by ;. In a path a pad name is that pad's centre, name@x,y a point inside that pad or via, vN(x,y) a via of type N, cw(c..) or ccw(c..) an arc to the next point about the centre after c; other vN are vias at no path point)
BAT_IAD: C41.2 R46.1 R50.2 U1.11
BAT_VAD: C52.2 D19.2 R53.1 R55.2 U1.10
BQ_EN: R25.2 U1.41 U5.2 | length 2.9
  Top Layer w0.254: R25.2 70.8,42.371 70.998,42.173 71.073,42.173 71.596,41.65 U5.2
BQ_ISET: D12.2 R24.2 U2.1 U5.7 | length 9.9
  Top Layer w0.254: U5.7 75.35,38.475 76.125,37.7 R24.2 77.55,37.7 D12.2 77.6,36.521 78.391,35.73 78.391,32.972 77.753,32.334 U2.1
BQ_ISRN: C28.2 C30.1 C31.2 C32.2 D11.1 D11.2 R22.2 R26.2 U5.9 | length 18.4
  Top Layer w0.254: U5.9 77.825,40.65 78.474,40 C30.1 82.126,42.926 84.201,42.926 84.582,42.545 R22.2 81.923,40.325 80.7,39.102 R26.2 C28.2
BQ_ISRP: C29.2 C30.2 L4.2 R22.1 U5.10 | length 14.9
  Top Layer w0.254: U5.10 77.892,41.15 78.343,41.6 C30.2 80.222,41.6 81.952,43.33 84.202,43.33 84.582,43.71 R22.1 ; C29.2 C29.2@80.75,45.95
  Top Layer w0.4: C29.2 R22.1
BQ_PG: D14.2 U1.39 U5.5 | length 3.5
  Top Layer w0.254: D14.2 72.175,37.713 72.896,38.434 73.867,38.434 74.35,38.917 U5.5
BQ_STAT: D13.2 U1.40 U5.3 | length 2.6
  Top Layer w0.254: D13.2 70.867,41.15 U5.3
BQ_TS_1V65: R28.1 R29.2 U5.4 | length 6.6
  Top Layer w0.254: R29.2 v1(70.8,38.434) 70.8,38.471 71.596,39.267 71.596,39.973 72.273,40.65 U5.4
  Bottom Layer w0.254: v1(69.2,36.996) 69.2,37.831 69.803,38.434 v1(70.8,38.434)
BQ_VFB: C28.1 R26.1 R27.2 U5.8 | length 7.1
  Top Layer w0.254: U5.8 75.863,39.637 75.863,39.011 76.012,38.862 78.338,38.862 78.827,38.373 78.902,38.373 79.1,38.175 R26.1 C28.1 R27.2
BQ_VREF_3V3: C26.1 R28.2 R30.1 R31.1 U5.6 | length 9.6
  Top Layer w0.254: R30.1 70.8,39.721 70.104,39.025 70.104,37.767 70.8,37.071 R28.2 72.621,36.996 73.325,37.7 R31.1 C26.1 74.85,37.75 U5.6
CAN_H: P2.1 P4.1 R12.2 U3.7
CAN_L: P2.2 P4.2 SB1.1 U3.6
CAN_RX: U1.32 U3.4 | length 5
  Top Layer w0.254: U1.32 87.914,25.243 88.392,24.765 88.392,23.394 89.179,22.607 U3.4
CAN_TX: U1.33 U3.1 | length 3.4
  Top Layer w0.254: U1.33 87.973,25.743 88.647,26.417 U3.1
CAP_VAD: C53.2 D20.2 R54.1 R56.2 U1.12
GND: C3.1 C4.1 C5.1 C6.1 C7.1 C8.1 C9.1 C10.1 C11.1 C12.1 C13.1 C14.1 C15.1 C16.1 C17.1 C18.1 C20.1 C21.2 C22.2 C23.1 C24.1 C25.2 C26.2 C29.1 C31.1 C32.1 C33.2 C35.1 C36.1 C38.1 C39.1 C40.1 C41.1 C42.1 C43.1 C44.1 C45.1 C46.1 C47.1 C48.1 C49.1 C50.1 C51.1 C52.1 C53.1 C54.1 D1.1 D2.1 D9.1 D12.1 D16.1 D17.2 D18.1 D19.1 D20.1 L2.1 P1.2 P3.2 P3.5 P3.6 P5.2 P6.2 P7.2 Q3.1 Q3.2 Q3.3 Q8.2 Q9.2 Q10.2 R5.2 R15.1 R16.1 R17.1 R18.1 R24.1 R25.1 R27.1 R29.1 R34.1 R36.1 R38.1 R43.2 R44.2 R50.1 R51.1 R52.1 R55.1 R56.1 SW1.2 U1.23 U1.35 U1.47 U2.2 U2.6 U3.2 U3.8 U4.4 U4.5 U5.11 U5.17 U6.2 U7.5 U8.2 U9.2 X1.2
  other v2: 74.706,41.006 75.494,41.006 74.706,41.794 75.494,41.794
I2C_SCL: R1.1 U1.42 U2.5 | length 5.3
  Top Layer w0.254: R1.1 72.795,30.315 73.595,31.115 76.2,31.115 76.788,30.527 U2.5
I2C_SDA: R2.1 U1.43 U2.4 | length 1.8
  Top Layer w0.254: R2.1 75.454,30.315 75.823,29.947 U2.4
LED_CAPFULL: D5.2 U1.14 | length 6.5
  Top Layer w0.254: D5.2 75.384,18.005 76.452,19.073 79.906,19.073 80.182,19.349 80.182,20.434 U1.14
LED_CAPLOW: D6.2 U1.15 | length 4.3
  Top Layer w0.254: D6.2 78.178,18.005 78.842,18.669 80.073,18.669 80.682,19.278 80.682,20.434 U1.15
LED_ID: D3.2 U1.22 | length 2.7
  Top Layer w0.254: D3.2 83.783,17.991 84.191,18.399 U1.22
LED_MODE: D4.2 U1.21 | length 4.6
  Top Layer w0.254: D4.2 80.972,18.005 81.636,18.669 83.312,18.669 83.691,19.048 U1.21
LM_VFB: R14.1 R17.2 U4.3 | length 3.3
  Top Layer w0.254: U4.3 105.743,56.398 R14.1 R17.2
NetC19_1: C19.1 R18.2 | length 1.4
  Top Layer w0.3: C19.1 107.48,53.531 R18.2@107.544,53.467
NetC19_2: C19.2 U4.2 | length 2.3
  Top Layer w0.254: U4.2 104.042,55.719 105.1,55.719 105.88,54.939 C19.2
NetC20_2: C20.2 Q1.1 Q1.2 Q1.3 R16.2 U4.1 | length 9.8
  Top Layer w0.254: R16.2 98.329,50.579 100.838,53.088 100.838,53.765 101.227,54.154 102.328,54.154 C20.2@102.959,53.523 ; C20.2 C20.2@102.959,53.523 ; U4.1 103.976,55.098 103.976,54.54 C20.2@102.959,53.523
NetC21_1: C21.1 R19.2
NetC22_1: C22.1 D9.2 R20.2 U5.1 | length 3.3
  Top Layer w0.254: C22.1 70.8,43.721 72.371,42.15 U5.1
NetC25_1: C25.1 D10.1 U5.12 | length 8.1
  Top Layer w0.254: D10.1 77.103,45.847 78.181,45.847 78.492,45.536 78.492,43.608 78.927,43.173 78.927,43.098 C25.1@79.125,42.9 ; U5.12 78.375,42.15 C25.1@79.125,42.9 ; C25.1 C25.1@79.125,42.9
NetC27_1: C27.1 L4.1 Q2.1 Q2.2 Q2.3 Q3.5 U5.14 | length 5.6
  Top Layer w0.254: U5.14 75.35,43.961 75.5,44.111 v1(75.5,45.2)
  Bottom Layer w0.254: v1(75.057,48.463) 75.057,45.643 v1(75.5,45.2)
NetC27_2: C27.2 D10.2 U5.16 | length 3.7
  Top Layer w0.254: D10.2 73.9,46.55 C27.2 73.9,45.125 74.35,44.675 U5.16
NetC34_1: C34.1 U6.1 | length 1.8
  Top Layer w0.6: U6.1 64.922,26.238 64.927,26.243 64.927,26.319 65.215,26.607 65.215,27.788 C34.1
NetC34_2: C34.2 D16.2 L5.1 U6.6 | length 8.7
  Top Layer w0.6: L5.1 67.234,31.826 67.234,27.823 ; C34.2 66.85,27.823 67.234,27.823 ; U6.6 67.234,27.813 ; D16.2 68.951,27.823 67.234,27.823
NetC35_2: C35.2 C36.2 D15.2 R47.2 U6.5 | length 8.8
  Top Layer w0.254: R47.2 66.002,24.854 66.421,25.273 U6.5
  Top Layer w0.6: U6.5 67.959,25.273 68.759,26.073 C36.2 68.909,26.073 69.099,26.264 C35.2 70.544,26.264 70.612,26.332 D15.2
NetC37_1: C37.1 R48.1 R52.2 U6.3 | length 4.4
  Top Layer w0.3: R48.1 C37.1 63.303,22.752 64.624,22.752 R52.2 64.643,24.105 U6.3
NetC40_2: C40.2 U7.6
NetC42_2: C42.2 R49.1
NetC51_2: C51.2 U8.4
NetD3_1: D3.1 R6.2 | length 1.4
  Top Layer w0.254: R6.2 82.308,16.379 83.694,16.379 D3.1
NetD4_1: D4.1 R8.2 | length 1.4
  Top Layer w0.254: R8.2 79.506,16.386 80.891,16.386 D4.1
NetD5_1: D5.1 R9.2 | length 1.4
  Top Layer w0.254: R9.2 73.918,16.386 75.303,16.386 D5.1
NetD6_1: D6.1 R10.2 | length 1.4
  Top Layer w0.254: R10.2 76.712,16.386 78.097,16.386 D6.1
NetD7_1: D7.1 P3.1
NetD8_1: D8.1 D8.2 L3.2 Q1.5
NetD13_1: D13.1 R30.2 | length 1.3
  Top Layer w0.254: D13.1 69.187,39.809 R30.2
NetD14_1: D14.1 R31.2 | length 1.3
  Top Layer w0.254: D14.1 72.106,36.094 73.394,36.094 R31.2
NetD15_1: D15.1 F1.2
NetD17_1: D17.1 R45.1
NetD18_2: D18.2 P5.1 R49.2 U7.1 U7.2
NetP1_1: P1.1 R4.1
NetP1_3: P1.3 R3.1
NetQ1_4: Q1.4 R13.1 | length 7.3
  Top Layer w0.254: Q1.4 101.647,47.114 102.697,48.164 102.697,52.388 R13.1
NetQ2_4: Q2.4 R21.2 | length 14.6
  Bottom Layer w0.254: v1(72.5,46.7) 72.5,53.305 v1(78.137,58.942)
NetQ3_4: Q3.4 R23.2 | length 5.8
  Top Layer w0.254: Q3.4 72.845,48.895 74.115,47.625 76.6,47.625 77.525,46.7 R23.2
NetQ4_1: Q4.1 Q4.2 Q4.3 Q5.1 Q5.2 Q5.3 R32.1 R35.2
NetQ4_4: Q4.4 Q5.4 R35.1 R39.2
NetQ6_1: Q6.1 Q6.2 Q6.3 Q7.1 Q7.2 Q7.3 R33.2 R37.2
NetQ6_4: Q6.4 Q7.4 R37.1 R40.2
NetQ8_1: Q8.1 Q10.3 R41.1 R43.1
NetQ8_3: Q8.3 R39.1
NetQ9_3: Q9.3 R40.1
NetR5_1: R5.1 U1.44 | length 2.5
  Top Layer w0.254: U1.44 R5.1
NetR12_1: R12.1 SB1.2
NetR13_2: R13.2 U4.6 | length 4.2
  Top Layer w0.254: U4.6 100.447,56.398 100.719,56.126 100.719,54.835 100.038,54.154 R13.2
NetR15_2: R15.2 U4.7 | length 3.6
  Top Layer w0.254: R15.2 96.341,55.08 97.009,55.748 U4.7
NetR21_1: R21.1 U5.15 | length 3.8
  Top Layer w0.254: R21.1 v1(73.279,44.323) v1(73.279,44.323) ; U5.15 v1(74.85,44.323)
  Bottom Layer w0.254: v1(73.279,44.323) v1(74.85,44.323)
NetR23_1: R23.1 U5.13 | length 3
  Top Layer w0.254: U5.13 75.85,43.89 77.06,45.1 R23.1
NetR46_2: R46.2 U7.7
NetR47_1: R47.1 R51.2 U6.4 | length 3.2
  Top Layer w0.254: U6.4 67.31,24.308 67.602,24.016 R47.1 R51.2
NetU1_5: U1.5 X1.1 | length 4.3
  Top Layer w0.254: X1.1 76.086,27.305 76.856,26.535 76.856,25.924 77.528,25.252 78.382,25.252 U1.5
NetU1_6: U1.6 X1.3 | length 3.1
  Top Layer w0.254: X1.3 75.324,24.752 78.382,24.752 U1.6
NRST: C5.2 R7.1 U1.7 | length 7
  Top Layer w0.254: C5.2 72.682,22.935 73.369,23.622 74.878,23.622 R7.1@75.565,22.935 ; R7.1 R7.1@75.565,22.935 ; U1.7 76.873,24.243 R7.1@75.565,22.935
P_SW: Q9.1 Q10.1 R42.2 R44.1
POWER_SW: R42.1 U1.13
SWCLK: P3.3 U1.37
SWDIO: P3.4 U1.34
USART1_RX: D2.2 R4.2 U1.31
USART1_TX: D1.2 R3.2 U1.30
USER_SW: R11.2 SW1.1 U1.27 | length 16.9
  Top Layer w0.254: U1.27 86.498,22.736 87.772,22.736 88.265,22.243 88.265,18.044 89.125,17.184 89.544,17.184 89.646,17.286 93.742,17.286 93.844,17.184 94.263,17.184 94.921,17.842 94.921,19.85 94.018,20.753 R11.2
VCC_3V3: C3.2 C4.2 C6.2 C7.2 C8.2 C9.2 C10.2 C45.2 C46.2 L1.1 R1.2 R2.2 R6.1 R7.2 R8.1 R9.1 R10.1 R11.1 U1.1 U1.24 U1.36 U1.48 U2.3 U3.3 U8.5 | length 40.3
  Top Layer w0.254: L1.1 72.696,21.501 73.767,22.572 73.767,22.662 R7.2 ; R9.1 73.987,17.992 74.787,17.192 76.708,17.192 ; R10.1 76.706,17.194 76.708,17.192 ; U1.1 78.4,27.252 79.449,27.252 79.682,27.485 79.682,28.534 U1.48 C8.2 ; R8.1 79.5,17.194 79.502,17.192 ; R6.1 82.294,17.194 82.296,17.192 ; C7.2@85.182,17.962 85.182,20.434 U1.24 ; C7.2@85.236,17.891 C7.2 85.107,17.945 84.354,17.192 82.296,17.192 ; U1.36 88.419,27.243 89.097,27.921 89.172,27.921 89.37,28.119 C9.2 C6.2 ; U3.3 90.094,23.877 90.97,23 C10.2 R11.1 ; 76.708,17.192 79.502,17.192 ; 79.502,17.192 82.296,17.192
  Top Layer w0.4: R1.2 R2.2 74.326,31.915 74.326,33.457 C3.2 74.651,33.782 C4.2 U2.3
VCC_5V: C33.1 C49.2 C50.2 U7.8 U9.5
VCC_5V3: C37.2 C38.2 C39.2 C43.2 C44.2 C47.2 C48.2 C54.2 D7.2 L5.2 R41.2 R45.2 R48.2 U8.1 U8.3 U9.1 U9.3 | length 11.6
  Top Layer w0.6: L5.2 61.684,31.976 C38.2 61.493,27.622 C39.2 C54.2 61.498,24.379 61.498,22.994 61.684,22.808 C37.2 R48.2
VCC_BAT: C23.2 C24.2 F1.1 Q2.5 Q4.5 R19.1 R20.1 R32.2 R34.2 R53.2 U7.3 U7.4
VCC_CAP: C11.2 C12.2 C13.2 D11.3 L3.1 P6.1 R54.2 U4.8 | length 1.9
  Top Layer w0.254: C13.2 97.758,55.089 99.604,55.089 U4.8
VCC_CAPBOOST: C14.2 C15.2 C16.2 C17.2 C18.2 D8.3 Q7.5 R14.2 R33.1 R38.2 | length 1.4
  Top Layer w0.254: R14.2 107.645,56.096 C14.2
VCC_OUT: P7.1 Q5.5 Q6.5 R36.2
VDDA_MCU: C1.2 C2.2 L1.2 U1.9 | length 8.1
  Top Layer w0.254: L1.2 C2.2 75.575,19.901 76.858,21.184 76.858,22.876 77.216,23.234 78.382,23.234 U1.9
VSSA_MCU: C1.1 C2.1 L2.2 U1.8 | length 9.3
  Top Layer w0.254: L2.2 71.195,19.901 71.995,20.701 73.101,20.701 73.901,21.501 C2.1 C1.1 75.575,21.501 76.35,22.276 76.35,23.01 77.083,23.743 U1.8
pads on no net: P5.0 P6.0 P7.0 SW1.0 U1.2 U1.3 U1.4 U1.16 U1.17 U1.18 U1.19 U1.20 U1.25 U1.26 U1.28 U1.29 U1.38 U1.45 U1.46 U3.5 U9.4